# KiCad board IotKnob.kicad_pcb
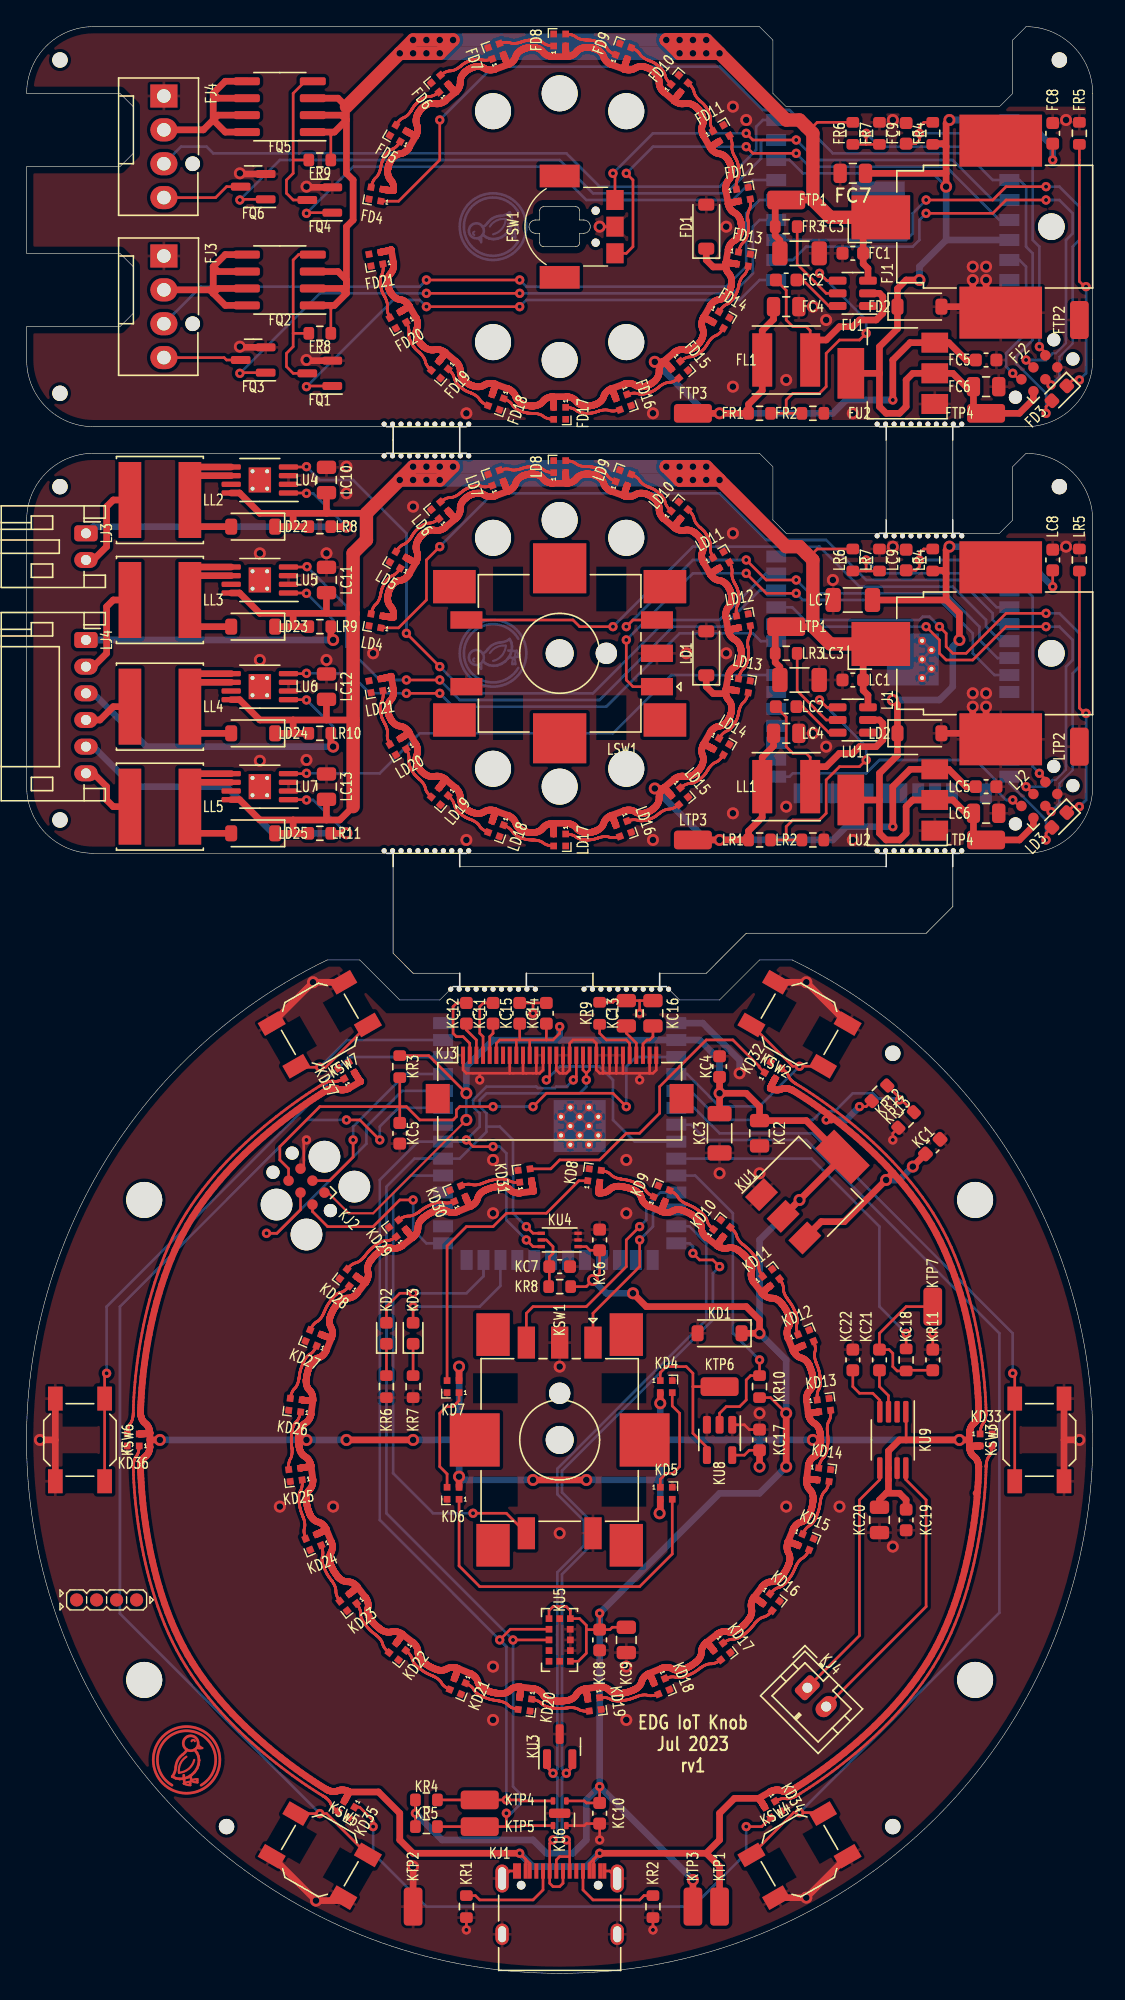
[diagram p0: board, top side]
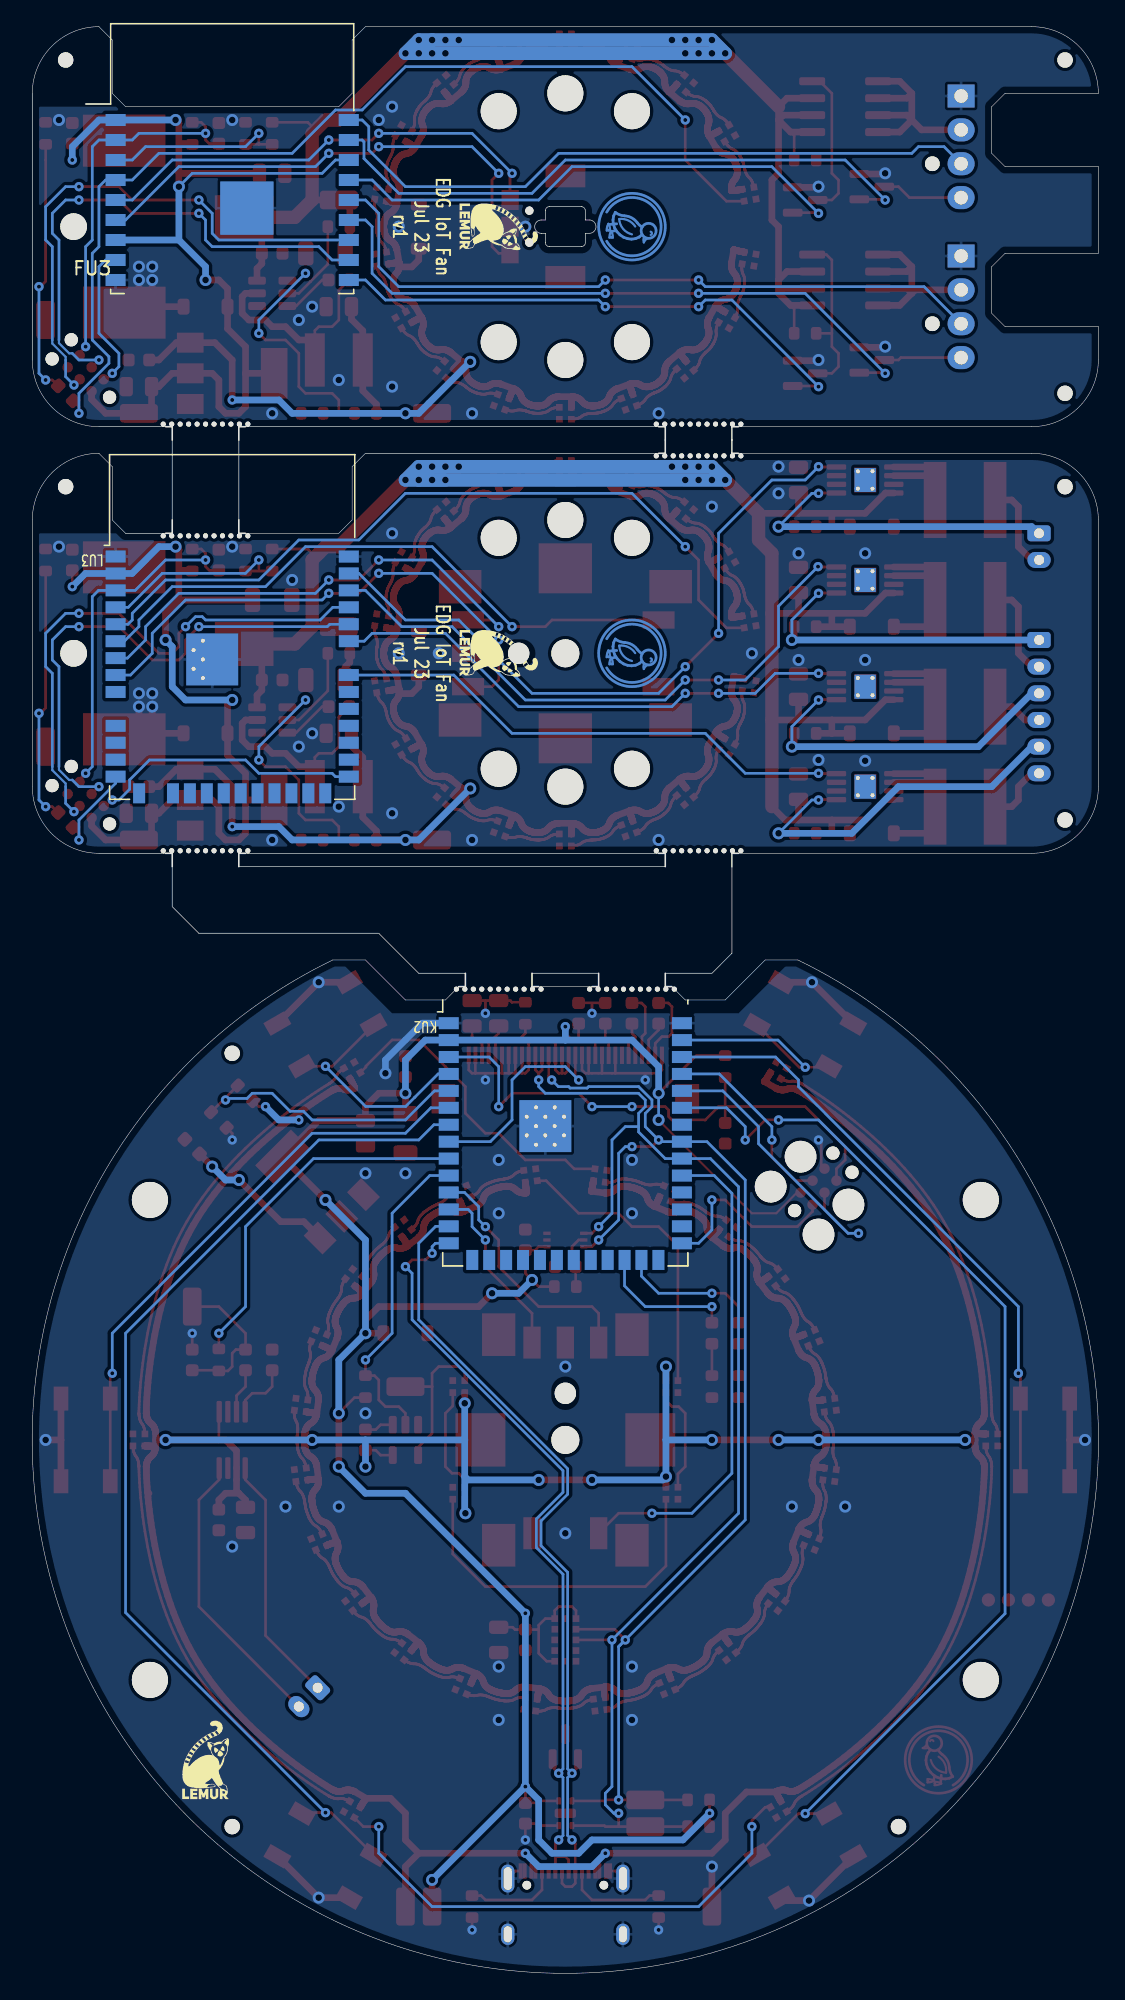
[diagram p1: board, bottom side, seen from below]

Outline 80 x 146.01 mm; copper layers: Top, Bottom. Coordinates in mm from the lower left corner of the outline.
Outline path: 27,114.01 5,114.01 arc(1.46,112.54) 0,109.01 0,89.01 arc(1.46,85.47) 5,84.01 27,84.01 ; 27,116.01 5,116.01 arc(1.46,117.47) 0,121.01 0,123.51 7,123.51 8,124.51 8,128.01 7,129.01 0,129.01 0,135.51 7,135.51 8,136.51 8,140.01 7,141.01 0,141.01 arc(1.46,144.54) 5,146.01 55,146.01 56,145.01 56,141.01 57,140.01 73,140.01 74,141.01 74,145.01 75,146.01 arc(78.54,144.54) 80,141.01 80,121.01 arc(78.54,117.47) 75,116.01 70,116.01 ; 27.5,83.01 27.5,76.51 29,75.01 32.5,75.01 ; 32,74.01 31,73.01 28,73.01 25,76.01 22.55,76.01 arc(40,0) 57.45,76.01 55,76.01 52,73.01 49,73.01 48,74.01 ; 32.5,83.01 64.5,83.01 ; 33,84.01 64,84.01 ; 38,74.01 42,74.01 ; 42.5,75.01 37.5,75.01 ; 47.5,75.01 51,75.01 54,78.01 67.5,78.01 69.5,80.01 69.5,83.01 ; 33,114.01 55,114.01 56,113.01 56,109.01 57,108.01 64,108.01 ; 64,116.01 33,116.01 ; 64.5,109.01 64.5,115.01 ; 69.5,109.01 69.5,115.01 ; 70,84.01 75,84.01 arc(78.54,85.47) 80,89.01 80,109.01 arc(78.54,112.54) 75,114.01 74,113.01 74,109.01 73,108.01 70,108.01
Stack: Top 0.035mm / dielectric 1.51mm FR4 er 4.5 / Bottom 0.035mm

## Placement (name value [footprint] x y rotation side)
FC1  -  [C_0603_1608Metric]  62 129.01 180 top
FC2  -  [C_0603_1608Metric]  57 127.01 180 top
FC3  -  [C_1206_3216Metric]  58 129.01 0 top
FC4  -  [C_0805_2012Metric]  57 125.01 0 top
FC5  -  [C_0603_1608Metric]  72 121.01 0 top
FC6  -  [C_0805_2012Metric]  72 119.01 0 top
FC7  -  [C_0805_2012Metric]  62 135.01 180 top
FC8  -  [C_0603_1608Metric]  77 138.01 90 top
FC9  -  [C_0603_1608Metric]  66 138.01 90 top
FD1  BZT52C6V2 (Shandong Jingdao Microelectronics) - 3?A@4V 10? Single 5.8V~6.6V 500mW 6.2V SOD-123 Zener Diodes ROHS  [D_SOD-123]  51 131.01 90 top
FD2  BZT52C3V6 (SMC(Sangdest Microelectronicstronic (Nanjing))) - 5?A@1V 90? Single 3.6V~3.8V 350mW 3.4V SOD-123 Zener Diodes ROHS  [D_SOD-123]  67 125.01 0 top
FD3  KT-0603R (Hubei KENTO Elec) - Red 615~630nm 1.9~2.2V 0603 Light Emitting Diodes (LED) RoHS  [LED_0603_1608Metric]  77.5 118.51 225 top
FD4  SK6805-EC15 (Opsco Optoelectronics)  [LED_SK6812_EC15_1.5x1.5mm#2]  26.21 133.44 170 top
FD5  SK6805-EC15 (Opsco Optoelectronics)  [LED_SK6812_EC15_1.5x1.5mm#3]  27.88 138.01 150 top
FD6  SK6805-EC15 (Opsco Optoelectronics)  [LED_SK6812_EC15_1.5x1.5mm#3]  31 141.73 130 top
FD7  SK6805-EC15 (Opsco Optoelectronics)  [LED_SK6812_EC15_1.5x1.5mm#2]  35.21 144.16 110 top
FD8  SK6805-EC15 (Opsco Optoelectronics)  [LED_SK6812_EC15_1.5x1.5mm#2]  40 145.01 90 top
FD9  SK6805-EC15 (Opsco Optoelectronics)  [LED_SK6812_EC15_1.5x1.5mm#2]  44.79 144.16 70 top
FD10  SK6805-EC15 (Opsco Optoelectronics)  [LED_SK6812_EC15_1.5x1.5mm]  49 141.73 50 top
FD11  SK6805-EC15 (Opsco Optoelectronics)  [LED_SK6812_EC15_1.5x1.5mm]  52.12 138.01 30 top
FD12  SK6805-EC15 (Opsco Optoelectronics)  [LED_SK6812_EC15_1.5x1.5mm#2]  53.79 133.44 10 top
FD13  SK6805-EC15 (Opsco Optoelectronics)  [LED_SK6812_EC15_1.5x1.5mm#2]  53.79 128.58 350 top
FD14  SK6805-EC15 (Opsco Optoelectronics)  [LED_SK6812_EC15_1.5x1.5mm#3]  52.12 124.01 330 top
FD15  SK6805-EC15 (Opsco Optoelectronics)  [LED_SK6812_EC15_1.5x1.5mm#3]  49 120.28 310 top
FD16  SK6805-EC15 (Opsco Optoelectronics)  [LED_SK6812_EC15_1.5x1.5mm#2]  44.79 117.85 290 top
FD17  SK6805-EC15 (Opsco Optoelectronics)  [LED_SK6812_EC15_1.5x1.5mm#2]  40 117.01 270 top
FD18  SK6805-EC15 (Opsco Optoelectronics)  [LED_SK6812_EC15_1.5x1.5mm#2]  35.21 117.85 250 top
FD19  SK6805-EC15 (Opsco Optoelectronics)  [LED_SK6812_EC15_1.5x1.5mm]  31 120.28 230 top
FD20  SK6805-EC15 (Opsco Optoelectronics)  [LED_SK6812_EC15_1.5x1.5mm]  27.88 124.01 210 top
FD21  SK6805-EC15 (Opsco Optoelectronics)  [LED_SK6812_EC15_1.5x1.5mm#2]  26.21 128.58 190 top
FH1  -  [JlcToolingHole_1.152mm]  77.5 143.51 90 top
FH2  -  [JlcToolingHole_1.152mm]  2.5 143.51 90 top
FH3  -  [JlcToolingHole_1.152mm]  2.5 118.51 90 top
FJ1  PJ-036AH-SMT (CUI Devices)  [BarrelJack_CUI_PJ-036AH-SMT_Horizontal]  69.9 131.01 90 top
FJ2  -  [Tag-Connect_TC2030-IDC-NL_2x03_P1.27mm_Vertical]  76 120.01 45 top
FJ3  4-pin CPU fan connector  [FanPinHeader_1x04_P2.54mm_Vertical]  10.3 128.81 270 top
FJ4  4-pin CPU fan connector  [FanPinHeader_1x04_P2.54mm_Vertical]  10.3 140.81 270 top
FL1  -  [L_Taiyo-Yuden_NR-50xx]  57 121.01 180 top
FQ1  AO3400A (Alpha & Omega Semicon) - 30V 5.7A 26.5m?@10V,5.7A 1.4W 1.5V@250?A N Channel SOT-23-3L MOSFETs ROHS  [SOT-23]  22 120.01 180 top
FQ2  DMG4407SSS-13 (Diodes Incorporated) - 30V 9.9A 1.45W 11m?@20V,12A 3V@250?A P Channel SOIC-8_150mil MOSFETs ROHS  [SOIC-8_3.9x4.9mm_P1.27mm]  19 127.01 180 top
FQ3  AO3400A (Alpha & Omega Semicon) - 30V 5.7A 26.5m?@10V,5.7A 1.4W 1.5V@250?A N Channel SOT-23-3L MOSFETs ROHS  [SOT-23]  17 121.01 180 top
FQ4  AO3400A (Alpha & Omega Semicon) - 30V 5.7A 26.5m?@10V,5.7A 1.4W 1.5V@250?A N Channel SOT-23-3L MOSFETs ROHS  [SOT-23]  22 133.01 180 top
FQ5  DMG4407SSS-13 (Diodes Incorporated) - 30V 9.9A 1.45W 11m?@20V,12A 3V@250?A P Channel SOIC-8_150mil MOSFETs ROHS  [SOIC-8_3.9x4.9mm_P1.27mm]  19 140.01 180 top
FQ6  AO3400A (Alpha & Omega Semicon) - 30V 5.7A 26.5m?@10V,5.7A 1.4W 1.5V@250?A N Channel SOT-23-3L MOSFETs ROHS  [SOT-23]  17 134.01 180 top
FR1  -  [R_0603_1608Metric]  55 117.01 0 top
FR2  -  [R_0603_1608Metric]  59 117.01 0 top
FR3  -  [R_0603_1608Metric]  57 131.01 0 top
FR4  -  [R_0603_1608Metric]  68 138.01 90 top
FR5  -  [R_0603_1608Metric]  79 138.01 90 top
FR6  -  [R_0603_1608Metric]  62 138.01 270 top
FR7  -  [R_0603_1608Metric]  64 138.01 90 top
FR8  -  [R_0603_1608Metric]  22 123.01 180 top
FR9  -  [R_0603_1608Metric]  22 136.01 180 top
FSW1  EC05E1220401 (Alps Alpine)  [RotaryEncoder_Alps_EC05E]  40 131.01 90 top
FTP1  5015 (Keystone) - v12  [TestPoint_TE_RCT_0805]  57 133.01 180 top
FTP2  5015 (Keystone) - gnd  [TestPoint_TE_RCT_0805]  79 124.01 270 top
FTP3  5015 (Keystone) - v5  [TestPoint_TE_RCT_0805]  50 117.01 180 top
FTP4  5015 (Keystone) - v3v3  [TestPoint_TE_RCT_0805]  72 117.01 0 top
FU1  TPS54202H (Texas Instruments)  [SOT-23-6]  62 126.01 180 top
FU2  LDL1117S33R (STMicroelectronics)  [SOT-223-3_TabPin2]  65 120.01 180 top
FU3  ESP32-C3-WROOM-02 (Espressif Systems)  [ESP-WROOM-02]  65 133.01 180 bottom
KC1  -  [C_0603_1608Metric]  68 62.01 45 top
KC2  -  [C_0805_2012Metric]  55 63.01 270 top
KC3  -  [C_1206_3216Metric]  52 63.01 270 top
KC4  -  [C_0603_1608Metric]  52 68.01 90 top
KC5  -  [C_0603_1608Metric]  28 63.01 270 top
KC6  -  [C_0603_1608Metric]  43 55.01 90 top
KC7  -  [C_0603_1608Metric]  40 53.01 0 top
KC8  -  [C_0603_1608Metric]  43 25.01 270 top
KC9  -  [C_0805_2012Metric]  45 25.01 270 top
KC10  -  [C_0603_1608Metric]  43 12.01 270 top
KC11  -  [C_0603_1608Metric]  35 72.01 270 top
KC12  -  [C_0603_1608Metric]  33 72.01 270 top
KC13  -  [C_0805_2012Metric]  45 72.01 90 top
KC14  -  [C_0603_1608Metric]  39 72.01 90 top
KC15  -  [C_0603_1608Metric]  37 72.01 90 top
KC16  -  [C_0805_2012Metric]  47 72.01 90 top
KC17  -  [C_0603_1608Metric]  55 40.01 90 top
KC18  -  [C_0603_1608Metric]  68 46.01 90 top
KC19  -  [C_0603_1608Metric]  66 34.01 270 top
KC20  -  [C_0805_2012Metric]  64 34.01 270 top
KC21  -  [C_0603_1608Metric]  64 46.01 90 top
KC22  -  [C_0603_1608Metric]  62 46.01 90 top
KD1  BZT52C3V6 (SMC(Sangdest Microelectronicstronic (Nanjing))) - 5?A@1V 90? Single 3.6V~3.8V 350mW 3.4V SOD-123 Zener Diodes ROHS  [D_SOD-123]  52 48.01 180 top
KD2  KT-0603R (Hubei KENTO Elec) - Red 615~630nm 1.9~2.2V 0603 Light Emitting Diodes (LED) RoHS  [LED_0603_1608Metric]  27 48.01 90 top
KD3  -  [LED_0603_1608Metric]  29 48.01 90 top
KD4  SK6805-EC15 (Opsco Optoelectronics)  [LED_SK6812_EC15_1.5x1.5mm#2]  48 44.01 0 top
KD5  SK6805-EC15 (Opsco Optoelectronics)  [LED_SK6812_EC15_1.5x1.5mm#2]  48 36.01 0 top
KD6  SK6805-EC15 (Opsco Optoelectronics)  [LED_SK6812_EC15_1.5x1.5mm#2]  32 36.01 180 top
KD7  SK6805-EC15 (Opsco Optoelectronics)  [LED_SK6812_EC15_1.5x1.5mm#2]  32 44.01 180 top
KD8  SK6805-EC15 (Opsco Optoelectronics)  [LED_SK6812_EC15_1.5x1.5mm#2]  42.61 59.84 82.5 top
KD9  SK6805-EC15 (Opsco Optoelectronics)  [LED_SK6812_EC15_1.5x1.5mm#2]  47.65 58.48 67.5 top
KD10  SK6805-EC15 (Opsco Optoelectronics)  [LED_SK6812_EC15_1.5x1.5mm#2]  52.17 55.87 52.5 top
KD11  SK6805-EC15 (Opsco Optoelectronics)  [LED_SK6812_EC15_1.5x1.5mm#2]  55.87 52.18 37.5 top
KD12  SK6805-EC15 (Opsco Optoelectronics)  [LED_SK6812_EC15_1.5x1.5mm#2]  58.48 47.66 22.5 top
KD13  SK6805-EC15 (Opsco Optoelectronics)  [LED_SK6812_EC15_1.5x1.5mm#2]  59.83 42.62 7.5 top
KD14  SK6805-EC15 (Opsco Optoelectronics)  [LED_SK6812_EC15_1.5x1.5mm#2]  59.83 37.4 352.5 top
KD15  SK6805-EC15 (Opsco Optoelectronics)  [LED_SK6812_EC15_1.5x1.5mm#2]  58.48 32.35 337.5 top
KD16  SK6805-EC15 (Opsco Optoelectronics)  [LED_SK6812_EC15_1.5x1.5mm#2]  55.87 27.83 322.5 top
KD17  SK6805-EC15 (Opsco Optoelectronics)  [LED_SK6812_EC15_1.5x1.5mm#2]  52.17 24.14 307.5 top
KD18  SK6805-EC15 (Opsco Optoelectronics)  [LED_SK6812_EC15_1.5x1.5mm#2]  47.65 21.53 292.5 top
KD19  SK6805-EC15 (Opsco Optoelectronics)  [LED_SK6812_EC15_1.5x1.5mm#2]  42.61 20.18 277.5 top
KD20  SK6805-EC15 (Opsco Optoelectronics)  [LED_SK6812_EC15_1.5x1.5mm#2]  37.39 20.18 262.5 top
KD21  SK6805-EC15 (Opsco Optoelectronics)  [LED_SK6812_EC15_1.5x1.5mm#2]  32.35 21.53 247.5 top
KD22  SK6805-EC15 (Opsco Optoelectronics)  [LED_SK6812_EC15_1.5x1.5mm#2]  27.83 24.14 232.5 top
KD23  SK6805-EC15 (Opsco Optoelectronics)  [LED_SK6812_EC15_1.5x1.5mm#2]  24.13 27.83 217.5 top
KD24  SK6805-EC15 (Opsco Optoelectronics)  [LED_SK6812_EC15_1.5x1.5mm#2]  21.52 32.35 202.5 top
KD25  SK6805-EC15 (Opsco Optoelectronics)  [LED_SK6812_EC15_1.5x1.5mm#2]  20.17 37.4 187.5 top
KD26  SK6805-EC15 (Opsco Optoelectronics)  [LED_SK6812_EC15_1.5x1.5mm#2]  20.17 42.62 172.5 top
KD27  SK6805-EC15 (Opsco Optoelectronics)  [LED_SK6812_EC15_1.5x1.5mm#2]  21.52 47.66 157.5 top
KD28  SK6805-EC15 (Opsco Optoelectronics)  [LED_SK6812_EC15_1.5x1.5mm#2]  24.13 52.18 142.5 top
KD29  SK6805-EC15 (Opsco Optoelectronics)  [LED_SK6812_EC15_1.5x1.5mm#2]  27.83 55.87 127.5 top
KD30  SK6805-EC15 (Opsco Optoelectronics)  [LED_SK6812_EC15_1.5x1.5mm#2]  32.35 58.48 112.5 top
KD31  SK6805-EC15 (Opsco Optoelectronics)  [LED_SK6812_EC15_1.5x1.5mm#2]  37.39 59.84 97.5 top
KD32  SK6805-EC15 (Opsco Optoelectronics)  [LED_SK6812_EC15_1.5x1.5mm#3]  56 67.72 60 top
KD33  SK6805-EC15 (Opsco Optoelectronics)  [LED_SK6812_EC15_1.5x1.5mm#2]  72 40.01 0 top
KD34  SK6805-EC15 (Opsco Optoelectronics)  [LED_SK6812_EC15_1.5x1.5mm]  56 12.29 300 top
KD35  SK6805-EC15 (Opsco Optoelectronics)  [LED_SK6812_EC15_1.5x1.5mm#3]  24 12.29 240 top
KD36  SK6805-EC15 (Opsco Optoelectronics)  [LED_SK6812_EC15_1.5x1.5mm#2]  8 40.01 180 top
KD37  SK6805-EC15 (Opsco Optoelectronics)  [LED_SK6812_EC15_1.5x1.5mm]  24 67.72 120 top
KH1  -  [JlcToolingHole_1.152mm]  65 69.01 0 top
KH2  -  [JlcToolingHole_1.152mm]  15 11.01 0 top
KH3  -  [JlcToolingHole_1.152mm]  65 11.01 0 top
KJ1  COM-15111 (Sparkfun)  [USB_C_Receptacle_XKB_U262-16XN-4BVC11]  40 4.01 0 top
KJ2  -  [Tag-Connect_TC2030-IDC-FP_2x03_P1.27mm_Vertical]  21 59.01 135 top
KJ3  AFC01-S30FCA-00 (Jushuo)  [Hirose_FH12-30S-0.5SH_1x30-1MP_P0.50mm_Horizontal]  40 67.01 0 top
KJ4  B2B-PH-K (JST)  [JST_PH_B2B-PH-K_1x02_P2.00mm_Vertical]  58.59 21.42 315 top
KR1  -  [R_0603_1608Metric]  33 5.01 90 top
KR2  -  [R_0603_1608Metric]  47 5.01 90 top
KR3  -  [R_0603_1608Metric]  28 68.01 270 top
KR4  -  [R_0603_1608Metric]  30 13.01 0 top
KR5  -  [R_0603_1608Metric]  30 11.01 0 top
KR6  -  [R_0603_1608Metric]  27 44.01 270 top
KR7  -  [R_0603_1608Metric]  29 44.01 270 top
KR8  -  [R_0603_1608Metric]  40 51.51 180 top
KR9  -  [R_0603_1608Metric]  43 72.01 90 top
KR10  -  [R_0603_1608Metric]  55 44.01 90 top
KR11  -  [R_0603_1608Metric]  66 46.01 270 top
KR12  -  [R_0603_1608Metric]  64 66.01 45 top
KR13  -  [R_0603_1608Metric]  66 64.01 225 top
KSW1  EC11J1525402 (Alps Alpine)  [RotaryEncoder_Alps_EC11J15-Switch]  40 40.01 270 top
KSW2  5.1mm switch  [SW_SPST_SKQG_WithoutStem]  58 71.18 150 top
KSW3  5.1mm switch  [SW_SPST_SKQG_WithoutStem]  76 40.01 90 top
KSW4  5.1mm switch  [SW_SPST_SKQG_WithoutStem]  58 8.83 30 top
KSW5  5.1mm switch  [SW_SPST_SKQG_WithoutStem]  22 8.83 330 top
KSW6  5.1mm switch  [SW_SPST_SKQG_WithoutStem]  4 40.01 270 top
KSW7  5.1mm switch  [SW_SPST_SKQG_WithoutStem]  22 71.18 210 top
KTP1  5015 (Keystone) - vusb  [TestPoint_TE_RCT_0805]  52 5.01 90 top
KTP2  5015 (Keystone) - gnd  [TestPoint_TE_RCT_0805]  29 5.01 90 top
KTP3  5015 (Keystone) - v3v3  [TestPoint_TE_RCT_0805]  50 5.01 90 top
KTP4  5015 (Keystone) - i2c_chain_0.scl  [TestPoint_TE_RCT_0805]  34 13.01 0 top
KTP5  5015 (Keystone) - i2c_tp._io_sda_link  [TestPoint_TE_RCT_0805]  34 11.01 0 top
KTP6  5015 (Keystone) - _rgb_shift_output_link  [TestPoint_TE_RCT_0805]  52 44.01 0 top
KTP7  5015 (Keystone) - _spk_dac_output_link  [TestPoint_TE_RCT_0805]  68 50.01 90 top
KU1  LDL1117S33R (STMicroelectronics)  [SOT-223-3_TabPin2]  59 59.01 45 top
KU2  ESP32-S3-WROOM-1-N16R8 (Espressif Systems)  [ESP32-S3-WROOM-1]  40 66.01 180 bottom
KU3  PESD5V0X1BT (Nexperia)  [SOT-23]  40 17.01 90 top
KU4  BH1750 (Rohm Semiconductor)  [HVSOF6]  40 55.01 180 top
KU5  VL53L0X (STMicroelectronics)  [ST_VL53L0X]  40 25.01 270 top
KU6  SHTC3 (Sensirion AG)  [Sensirion_DFN-4-1EP_2x2mm_P1mm_EP0.7x1.6mm]  40 12.01 270 top
KU8  74AHCT1G125W5-7 (Diodes Incorporated)  [SOT-23-5]  52 40.01 270 top
KU9  PAM8302AASCR (Diodes Incorporated)  [MSOP-8_3x3mm_P0.65mm]  65 40.01 270 top
LC1  -  [C_0603_1608Metric]  62 97.01 180 top
LC2  -  [C_0603_1608Metric]  57 95.01 180 top
LC3  -  [C_1206_3216Metric]  58 97.01 0 top
LC4  -  [C_0805_2012Metric]  57 93.01 0 top
LC5  -  [C_0603_1608Metric]  72 89.01 0 top
LC6  -  [C_0805_2012Metric]  72 87.01 0 top
LC7  -  [C_1206_3216Metric]  62 103.01 180 top
LC8  -  [C_0603_1608Metric]  77 106.01 90 top
LC9  -  [C_0603_1608Metric]  66 106.01 90 top
LC10  -  [C_0805_2012Metric]  22.5 112.01 90 top
LC11  -  [C_0805_2012Metric]  22.5 104.51 90 top
LC12  -  [C_0805_2012Metric]  22.5 96.51 90 top
LC13  -  [C_0805_2012Metric]  22.5 89.01 90 top
LD1  BZT52C6V2 (Shandong Jingdao Microelectronics) - 3?A@4V 10? Single 5.8V~6.6V 500mW 6.2V SOD-123 Zener Diodes ROHS  [D_SOD-123]  51 99.01 90 top
LD2  BZT52C3V6 (SMC(Sangdest Microelectronicstronic (Nanjing))) - 5?A@1V 90? Single 3.6V~3.8V 350mW 3.4V SOD-123 Zener Diodes ROHS  [D_SOD-123]  67 93.01 0 top
LD3  KT-0603R (Hubei KENTO Elec) - Red 615~630nm 1.9~2.2V 0603 Light Emitting Diodes (LED) RoHS  [LED_0603_1608Metric]  77.5 86.51 225 top
LD4  SK6805-EC15 (Opsco Optoelectronics)  [LED_SK6812_EC15_1.5x1.5mm#2]  26.21 101.44 170 top
LD5  SK6805-EC15 (Opsco Optoelectronics)  [LED_SK6812_EC15_1.5x1.5mm#3]  27.88 106.01 150 top
LD6  SK6805-EC15 (Opsco Optoelectronics)  [LED_SK6812_EC15_1.5x1.5mm#3]  31 109.73 130 top
LD7  SK6805-EC15 (Opsco Optoelectronics)  [LED_SK6812_EC15_1.5x1.5mm#2]  35.21 112.16 110 top
LD8  SK6805-EC15 (Opsco Optoelectronics)  [LED_SK6812_EC15_1.5x1.5mm#2]  40 113.01 90 top
LD9  SK6805-EC15 (Opsco Optoelectronics)  [LED_SK6812_EC15_1.5x1.5mm#2]  44.79 112.16 70 top
LD10  SK6805-EC15 (Opsco Optoelectronics)  [LED_SK6812_EC15_1.5x1.5mm]  49 109.73 50 top
LD11  SK6805-EC15 (Opsco Optoelectronics)  [LED_SK6812_EC15_1.5x1.5mm]  52.12 106.01 30 top
LD12  SK6805-EC15 (Opsco Optoelectronics)  [LED_SK6812_EC15_1.5x1.5mm#2]  53.79 101.44 10 top
LD13  SK6805-EC15 (Opsco Optoelectronics)  [LED_SK6812_EC15_1.5x1.5mm#2]  53.79 96.58 350 top
LD14  SK6805-EC15 (Opsco Optoelectronics)  [LED_SK6812_EC15_1.5x1.5mm#3]  52.12 92.01 330 top
LD15  SK6805-EC15 (Opsco Optoelectronics)  [LED_SK6812_EC15_1.5x1.5mm#3]  49 88.28 310 top
LD16  SK6805-EC15 (Opsco Optoelectronics)  [LED_SK6812_EC15_1.5x1.5mm#2]  44.79 85.85 290 top
LD17  SK6805-EC15 (Opsco Optoelectronics)  [LED_SK6812_EC15_1.5x1.5mm#2]  40 85.01 270 top
LD18  SK6805-EC15 (Opsco Optoelectronics)  [LED_SK6812_EC15_1.5x1.5mm#2]  35.21 85.85 250 top
LD19  SK6805-EC15 (Opsco Optoelectronics)  [LED_SK6812_EC15_1.5x1.5mm]  31 88.28 230 top
LD20  SK6805-EC15 (Opsco Optoelectronics)  [LED_SK6812_EC15_1.5x1.5mm]  27.88 92.01 210 top
LD21  SK6805-EC15 (Opsco Optoelectronics)  [LED_SK6812_EC15_1.5x1.5mm#2]  26.21 96.58 190 top
LD22  B5817W (Shandong Jingdao Microelectronics) - 20V 450mV@1A 1A SOD-123 Schottky Barrier Diodes (SBD) ROHS  [D_SOD-123]  17 108.51 180 top
LD23  B5817W (Shandong Jingdao Microelectronics) - 20V 450mV@1A 1A SOD-123 Schottky Barrier Diodes (SBD) ROHS  [D_SOD-123]  17 101.01 180 top
LD24  B5817W (Shandong Jingdao Microelectronics) - 20V 450mV@1A 1A SOD-123 Schottky Barrier Diodes (SBD) ROHS  [D_SOD-123]  17 93.01 180 top
LD25  B5817W (Shandong Jingdao Microelectronics) - 20V 450mV@1A 1A SOD-123 Schottky Barrier Diodes (SBD) ROHS  [D_SOD-123]  17 85.51 180 top
LH1  -  [JlcToolingHole_1.152mm]  77.5 111.51 90 top
LH2  -  [JlcToolingHole_1.152mm]  2.5 111.51 90 top
LH3  -  [JlcToolingHole_1.152mm]  2.5 86.51 90 top
LJ1  PJ-036AH-SMT (CUI Devices)  [BarrelJack_CUI_PJ-036AH-SMT_Horizontal]  69.9 99.01 90 top
LJ2  -  [Tag-Connect_TC2030-IDC-NL_2x03_P1.27mm_Vertical]  76 88.01 45 top
LJ3  S2B-PH-K (JST)  [JST_PH_S2B-PH-K_1x02_P2.00mm_Horizontal]  4.45 108.01 270 top
LJ4  S6B-PH-K (JST)  [JST_PH_S6B-PH-K_1x06_P2.00mm_Horizontal]  4.45 100.01 270 top
LL1  -  [L_Taiyo-Yuden_NR-50xx]  57 89.01 180 top
LL2  -  [L_Sunlord_SWPA6045S]  10 110.51 0 top
LL3  -  [L_Sunlord_SWPA6045S]  10 103.01 0 top
LL4  -  [L_Sunlord_SWPA6045S]  10 95.01 0 top
LL5  -  [L_Sunlord_SWPA6045S]  10 87.51 0 top
LR1  -  [R_0603_1608Metric]  55 85.01 0 top
LR2  -  [R_0603_1608Metric]  59 85.01 0 top
LR3  -  [R_0603_1608Metric]  57 99.01 0 top
LR4  -  [R_0603_1608Metric]  68 106.01 90 top
LR5  -  [R_0603_1608Metric]  79 106.01 90 top
LR6  -  [R_0603_1608Metric]  62 106.01 270 top
LR7  -  [R_0603_1608Metric]  64 106.01 90 top
LR8  -  [R_0603_1608Metric]  22 108.51 0 top
LR9  -  [R_0603_1608Metric]  22 101.01 0 top
LR10  -  [R_0603_1608Metric]  22 93.01 0 top
LR11  -  [R_0603_1608Metric]  22 85.51 0 top
LSW1  EC11J1525402 (Alps Alpine)  [RotaryEncoder_Alps_EC11J15-Switch]  40 99.01 180 top
LTP1  5015 (Keystone) - v12  [TestPoint_TE_RCT_0805]  57 101.01 180 top
LTP2  5015 (Keystone) - gnd  [TestPoint_TE_RCT_0805]  79 92.01 270 top
LTP3  5015 (Keystone) - v5  [TestPoint_TE_RCT_0805]  50 85.01 180 top
LTP4  5015 (Keystone) - v3v3  [TestPoint_TE_RCT_0805]  72 85.01 0 top
LU1  TPS54202H (Texas Instruments)  [SOT-23-6]  62 94.01 180 top
LU2  LDL1117S33R (STMicroelectronics)  [SOT-223-3_TabPin2]  65 88.01 180 top
LU3  ESP32-S3-WROOM-1-N16R8 (Espressif Systems)  [ESP32-S3-WROOM-1#2]  65 101.01 180 bottom
LU4  AL8861MP (Diodes Incorporated)  [MSOP-8-1EP_3x3mm_P0.65mm_EP1.68x1.88mm_ThermalVias]  17.5 112.01 180 top
LU5  AL8861MP (Diodes Incorporated)  [MSOP-8-1EP_3x3mm_P0.65mm_EP1.68x1.88mm_ThermalVias]  17.5 104.51 180 top
LU6  AL8861MP (Diodes Incorporated)  [MSOP-8-1EP_3x3mm_P0.65mm_EP1.68x1.88mm_ThermalVias]  17.5 96.51 180 top
LU7  AL8861MP (Diodes Incorporated)  [MSOP-8-1EP_3x3mm_P0.65mm_EP1.68x1.88mm_ThermalVias]  17.5 89.01 180 top
REF**  -  [MountingHole_2.7mm_M2.5]  35 107.67 90 top
REF**#2  -  [MountingHole_2.7mm_M2.5]  8.82 22.01 0 top
REF**#3  -  [MountingHole_2.7mm_M2.5]  40 109.01 90 top
REF**#4  MouseBites  [HalfMouseBites_Recessed]  30 115.01 0 top
REF**#5  -  [MountingHole_2.7mm_M2.5]  45 139.67 90 top
REF**#6  MouseBites  [HalfMouseBites_Recessed]  35 75.01 180 top
REF**#7  -  [MountingHole_2.7mm_M2.5]  8.82 58.01 0 top
REF**#8  -  [MountingHole_2.7mm_M2.5]  40 121.01 90 top
REF**#9  MouseBites  [HalfMouseBites_Recessed]  67 115.01 0 top
REF**#10  -  [MountingHole_2.7mm_M2.5]  71.18 58.01 0 top
REF**#11  -  [MountingHole_2.7mm_M2.5]  40 141.01 90 top
REF**#12  -  [MountingHole_2.7mm_M2.5]  71.18 22.01 0 top
REF**#13  -  [MountingHole_2.7mm_M2.5]  40 89.01 90 top
REF**#14  -  [MountingHole_2.7mm_M2.5]  35 139.67 90 top
REF**#15  -  [MountingHole_2.7mm_M2.5]  45 107.67 90 top
REF**#16  -  [MountingHole_2.7mm_M2.5]  45 90.35 90 top
REF**#17  MouseBites  [HalfMouseBites_Recessed]  30 83.01 0 top
REF**#18  -  [MountingHole_2.7mm_M2.5]  45 122.35 90 top
REF**#19  MouseBites  [HalfMouseBites_Recessed]  67 109.01 180 top
REF**#20  MouseBites  [HalfMouseBites_Recessed]  30 115.01 180 top
REF**#21  -  [MountingHole_2.7mm_M2.5]  35 90.35 90 top
REF**#22  -  [MountingHole_2.7mm_M2.5]  35 122.35 90 top
REF**#23  MouseBites  [HalfMouseBites_Recessed]  67 83.01 0 top
REF**#24  MouseBites  [HalfMouseBites_Recessed]  45 75.01 180 top